# KiCad board middle.kicad_pcb
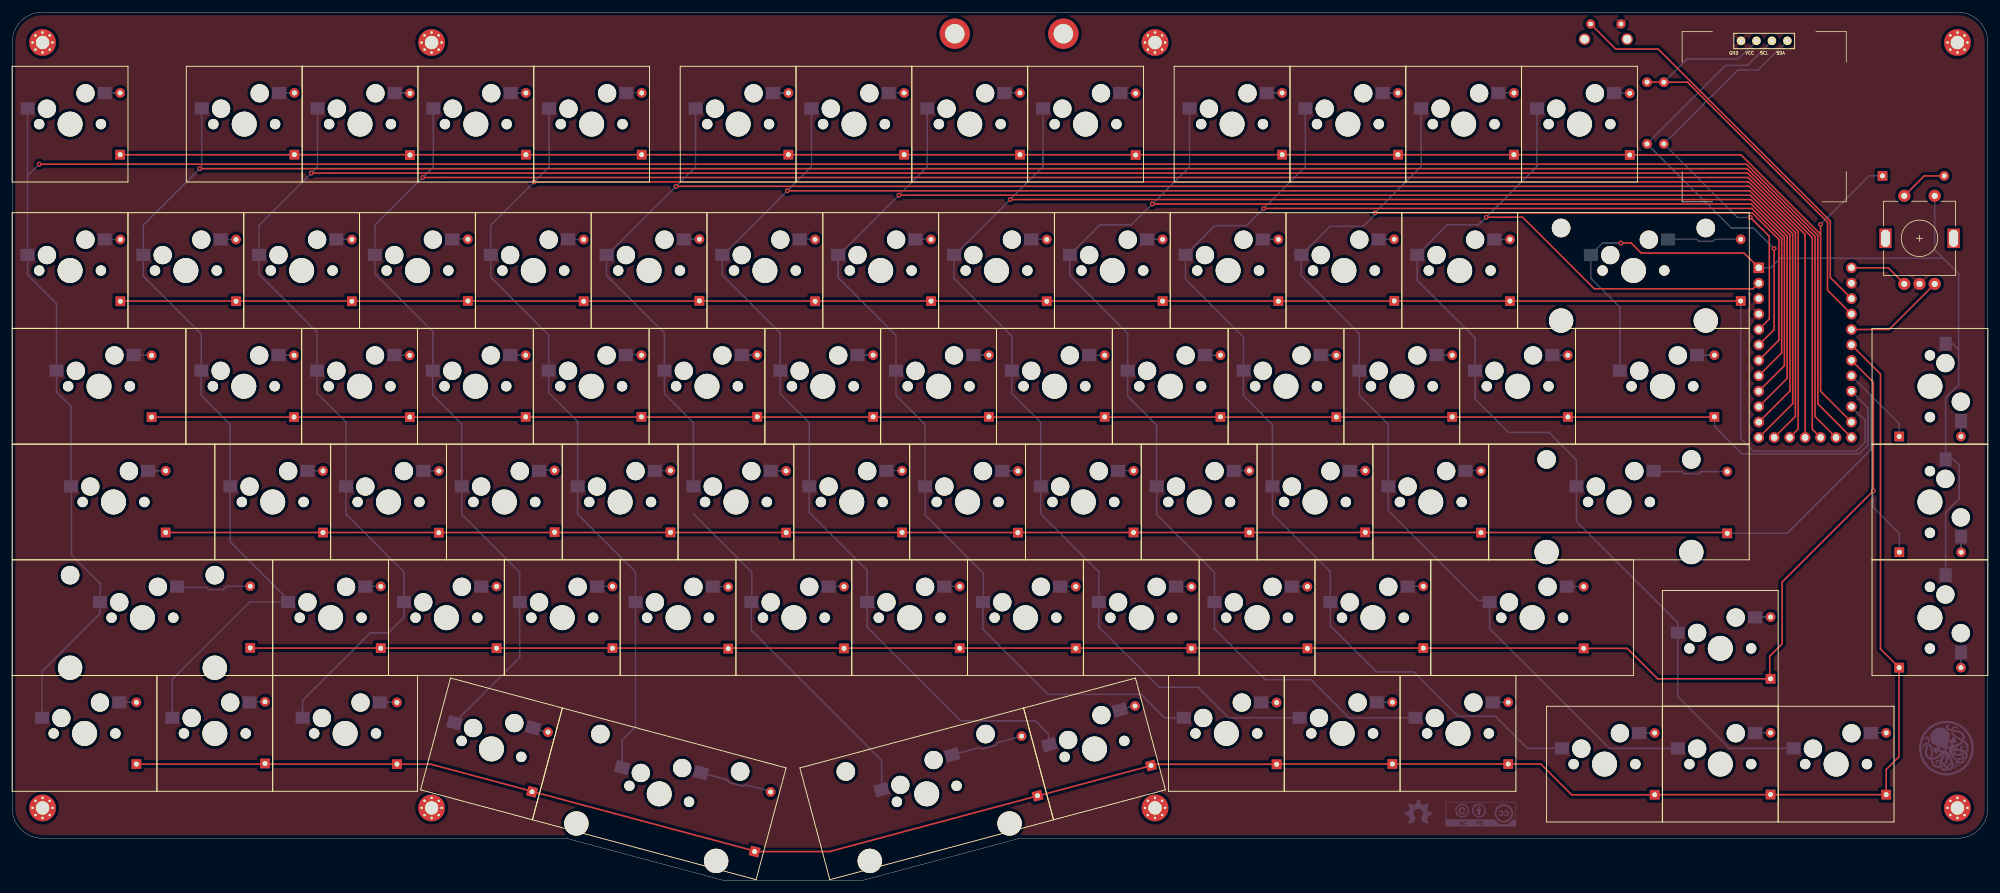
[diagram p0: board, top side]
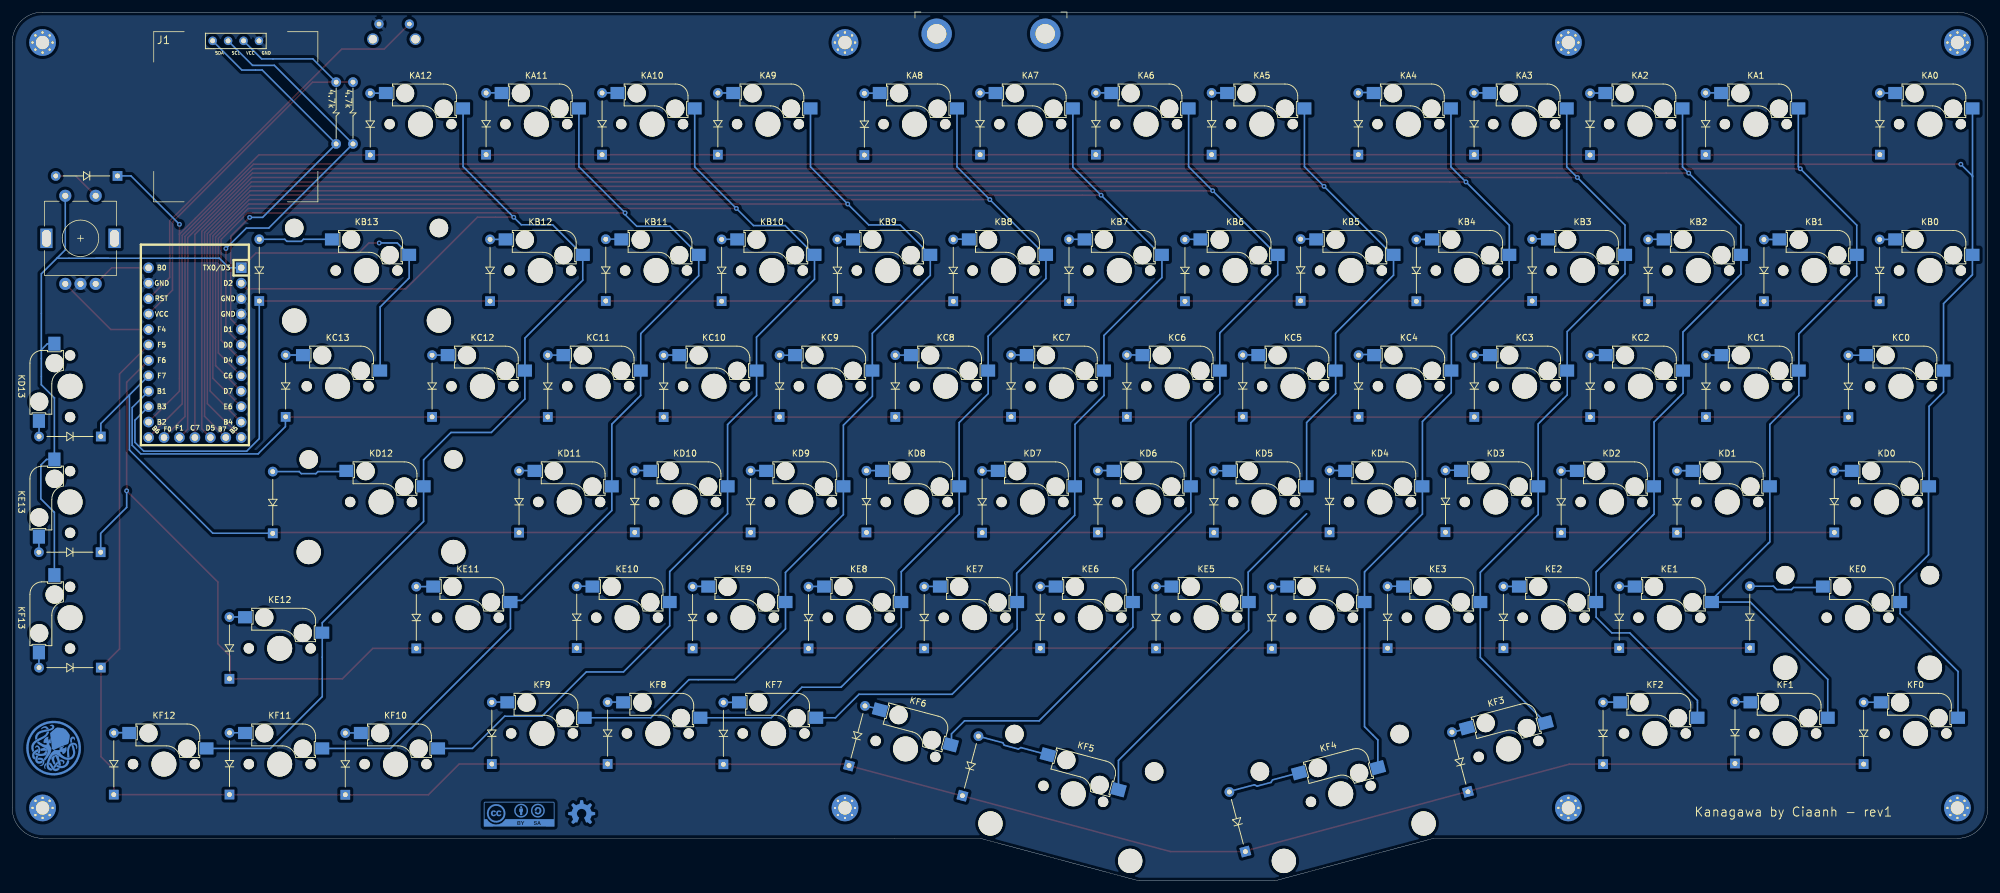
[diagram p1: board, bottom side, seen from below]

Outline 325 x 143 mm; copper layers: Top, Bottom. Coordinates in mm from the lower left corner of the outline.
Outline path: 0,138 0,12 arc(1.46,8.46) 5,7 91.16,7 117.29,0 139.6,0 165.72,7 320,7 arc(323.54,8.46) 325,12 325,138 arc(323.54,141.54) 320,143 5,143 arc(1.46,141.54) 0,138

## Placement (name value [footprint] x y rotation side)
DA0  D  [Diode_THT]  17.76 119.54 90 top
DA1  D  [Diode_THT]  46.43 119.54 90 top
DA2  D  [Diode_THT]  65.44 119.48 90 top
DA3  D  [Diode_THT]  84.51 119.54 90 top
DA4  D  [Diode_THT]  103.56 119.54 90 top
DA5  D  [Diode_THT]  127.69 119.54 90 top
DA6  D  [Diode_THT]  146.73 119.54 90 top
DA7  D  [Diode_THT]  165.78 119.54 90 top
DA8  D  [Diode_THT]  184.81 119.48 90 top
DA9  D  [Diode_THT]  208.91 119.54 90 top
DA10  D  [Diode_THT]  227.96 119.54 90 top
DA11  D  [Diode_THT]  247.04 119.54 90 top
DA12  D  [Diode_THT]  266.1 119.49 90 top
DA13  D  [Diode_THT]  307.67 116.04 0 top
DB0  D  [Diode_THT]  17.8 95.41 90 top
DB1  D  [Diode_THT]  36.83 95.41 90 top
DB2  D  [Diode_THT]  55.88 95.41 90 top
DB3  D  [Diode_THT]  74.96 95.46 90 top
DB4  D  [Diode_THT]  94.01 95.41 90 top
DB5  D  [Diode_THT]  113.05 95.48 90 top
DB6  D  [Diode_THT]  132.08 95.41 90 top
DB7  D  [Diode_THT]  151.15 95.43 90 top
DB8  D  [Diode_THT]  170.19 95.41 90 top
DB9  D  [Diode_THT]  189.25 95.43 90 top
DB10  D  [Diode_THT]  208.29 95.43 90 top
DB11  D  [Diode_THT]  227.35 95.46 90 top
DB12  D  [Diode_THT]  246.39 95.43 90 top
DB13  D  [Diode_THT]  284.35 95.45 90 top
DC0  D  [Diode_THT]  22.94 76.34 90 top
DC1  D  [Diode_THT]  46.37 76.35 90 top
DC2  D  [Diode_THT]  65.41 76.35 90 top
DC3  D  [Diode_THT]  84.48 76.37 90 top
DC4  D  [Diode_THT]  103.52 76.38 90 top
DC5  D  [Diode_THT]  122.57 76.39 90 top
DC6  D  [Diode_THT]  141.63 76.39 90 top
DC7  D  [Diode_THT]  160.68 76.39 90 top
DC8  D  [Diode_THT]  179.72 76.37 90 top
DC9  D  [Diode_THT]  198.76 76.37 90 top
DC10  D  [Diode_THT]  217.83 76.35 90 top
DC11  D  [Diode_THT]  236.89 76.37 90 top
DC12  D  [Diode_THT]  255.92 76.37 90 top
DC13  D  [Diode_THT]  280.01 76.38 90 top
DD0  D  [Diode_THT]  25.26 57.35 90 top
DD1  D  [Diode_THT]  51.13 57.33 90 top
DD2  D  [Diode_THT]  70.19 57.31 90 top
DD3  D  [Diode_THT]  89.22 57.4 90 top
DD4  D  [Diode_THT]  108.29 57.38 90 top
DD5  D  [Diode_THT]  127.32 57.32 90 top
DD6  D  [Diode_THT]  146.39 57.36 90 top
DD7  D  [Diode_THT]  165.44 57.31 90 top
DD8  D  [Diode_THT]  184.47 57.35 90 top
DD9  D  [Diode_THT]  203.52 57.36 90 top
DD10  D  [Diode_THT]  222.58 57.37 90 top
DD11  D  [Diode_THT]  241.62 57.32 90 top
DD12  D  [Diode_THT]  282.13 57.21 90 top
DD13  D  [Diode_THT]  310.42 73.15 0 top
DE0  D  [Diode_THT]  39.16 38.34 90 top
DE1  D  [Diode_THT]  60.64 38.31 90 top
DE2  D  [Diode_THT]  79.69 38.3 90 top
DE3  D  [Diode_THT]  98.75 38.31 90 top
DE4  D  [Diode_THT]  117.8 38.23 90 top
DE5  D  [Diode_THT]  136.84 38.27 90 top
DE6  D  [Diode_THT]  155.89 38.29 90 top
DE7  D  [Diode_THT]  174.97 38.27 90 top
DE8  D  [Diode_THT]  194 38.26 90 top
DE9  D  [Diode_THT]  213.07 38.27 90 top
DE10  D  [Diode_THT]  232.13 38.32 90 top
DE11  D  [Diode_THT]  258.52 38.27 90 top
DE12  D  [Diode_THT]  289.26 33.26 90 top
DE13  D  [Diode_THT]  310.44 54.1 0 top
DF0  D  [Diode_THT]  20.43 19.22 90 top
DF1  D  [Diode_THT]  41.6 19.32 90 top
DF2  D  [Diode_THT]  63.3 19.21 90 top
DF3  D  [Diode_THT]  85.52 14.66 75 top
DF4  D  [Diode_THT]  122.14 4.82 75 top
DF5  D  [Diode_THT]  168.68 14.01 105 top
DF6  D  [Diode_THT]  187.34 18.98 105 top
DF7  D  [Diode_THT]  208 19.19 90 top
DF8  D  [Diode_THT]  227.05 19.24 90 top
DF9  D  [Diode_THT]  246.1 19.23 90 top
DF10  D  [Diode_THT]  270.2 14.17 90 top
DF11  D  [Diode_THT]  289.25 14.21 90 top
DF12  D  [Diode_THT]  308.28 14.19 90 top
DF13  D  [Diode_THT]  310.42 35.1 0 top
J1  Conn_01x04  [OLED_128x64_I2C_cutout]  274.71 139.78 0 top
KA0  KEY_SW  [SW_Cherry_MX_1.00u_Hotswap]  0 134.09 0 top
KA1  KEY_SW  [SW_Cherry_MX_1.00u_Hotswap]  28.65 134.09 0 top
KA2  KEY_SW  [SW_Cherry_MX_1.00u_Hotswap]  47.7 134.09 0 top
KA3  KEY_SW  [SW_Cherry_MX_1.00u_Hotswap]  66.75 134.09 0 top
KA4  KEY_SW  [SW_Cherry_MX_1.00u_Hotswap]  85.8 134.09 0 top
KA5  KEY_SW  [SW_Cherry_MX_1.00u_Hotswap]  109.9 134.09 0 top
KA6  KEY_SW  [SW_Cherry_MX_1.00u_Hotswap]  128.95 134.09 0 top
KA7  KEY_SW  [SW_Cherry_MX_1.00u_Hotswap]  148 134.09 0 top
KA8  KEY_SW  [SW_Cherry_MX_1.00u_Hotswap]  167.05 134.09 0 top
KA9  KEY_SW  [SW_Cherry_MX_1.00u_Hotswap]  191.15 134.09 0 top
KA10  KEY_SW  [SW_Cherry_MX_1.00u_Hotswap]  210.2 134.09 0 top
KA11  KEY_SW  [SW_Cherry_MX_1.00u_Hotswap]  229.25 134.09 0 top
KA12  KEY_SW  [SW_Cherry_MX_1.00u_Hotswap]  248.3 134.09 0 top
KB0  KEY_SW  [SW_Cherry_MX_1.00u_Hotswap]  0 109.99 0 top
KB1  KEY_SW  [SW_Cherry_MX_1.00u_Hotswap]  19.05 109.99 0 top
KB2  KEY_SW  [SW_Cherry_MX_1.00u_Hotswap]  38.1 109.99 0 top
KB3  KEY_SW  [SW_Cherry_MX_1.00u_Hotswap]  57.15 109.99 0 top
KB4  KEY_SW  [SW_Cherry_MX_1.00u_Hotswap]  76.2 109.99 0 top
KB5  KEY_SW  [SW_Cherry_MX_1.00u_Hotswap]  95.25 109.99 0 top
KB6  KEY_SW  [SW_Cherry_MX_1.00u_Hotswap]  114.3 109.99 0 top
KB7  KEY_SW  [SW_Cherry_MX_1.00u_Hotswap]  133.35 109.99 0 top
KB8  KEY_SW  [SW_Cherry_MX_1.00u_Hotswap]  152.4 109.99 0 top
KB9  KEY_SW  [SW_Cherry_MX_1.00u_Hotswap]  171.45 109.99 0 top
KB10  KEY_SW  [SW_Cherry_MX_1.00u_Hotswap]  190.5 109.99 0 top
KB11  KEY_SW  [SW_Cherry_MX_1.00u_Hotswap]  209.55 109.99 0 top
KB12  KEY_SW  [SW_Cherry_MX_1.00u_Hotswap]  228.6 109.99 0 top
KB13  KEY_SW  [SW_Cherry_MX_2.00u_Hotswap]  247.65 109.99 0 top
KC0  KEY_SW  [SW_Cherry_MX_1.50u_Hotswap]  0 90.94 0 top
KC1  KEY_SW  [SW_Cherry_MX_1.00u_Hotswap]  28.58 90.94 0 top
KC2  KEY_SW  [SW_Cherry_MX_1.00u_Hotswap]  47.63 90.94 0 top
KC3  KEY_SW  [SW_Cherry_MX_1.00u_Hotswap]  66.68 90.94 0 top
KC4  KEY_SW  [SW_Cherry_MX_1.00u_Hotswap]  85.73 90.94 0 top
KC5  KEY_SW  [SW_Cherry_MX_1.00u_Hotswap]  104.78 90.94 0 top
KC6  KEY_SW  [SW_Cherry_MX_1.00u_Hotswap]  123.83 90.94 0 top
KC7  KEY_SW  [SW_Cherry_MX_1.00u_Hotswap]  142.88 90.94 0 top
KC8  KEY_SW  [SW_Cherry_MX_1.00u_Hotswap]  161.93 90.94 0 top
KC9  KEY_SW  [SW_Cherry_MX_1.00u_Hotswap]  180.98 90.94 0 top
KC10  KEY_SW  [SW_Cherry_MX_1.00u_Hotswap]  200.03 90.94 0 top
KC11  KEY_SW  [SW_Cherry_MX_1.00u_Hotswap]  219.07 90.94 0 top
KC12  KEY_SW  [SW_Cherry_MX_1.00u_Hotswap]  238.12 90.94 0 top
KC13  KEY_SW  [SW_Cherry_MX_1.50u_Hotswap]  257.18 90.94 0 top
KD0  KEY_SW  [SW_Cherry_MX_1.75u_Hotswap]  0 71.89 0 top
KD1  KEY_SW  [SW_Cherry_MX_1.00u_Hotswap]  33.34 71.89 0 top
KD2  KEY_SW  [SW_Cherry_MX_1.00u_Hotswap]  52.39 71.89 0 top
KD3  KEY_SW  [SW_Cherry_MX_1.00u_Hotswap]  71.44 71.89 0 top
KD4  KEY_SW  [SW_Cherry_MX_1.00u_Hotswap]  90.49 71.89 0 top
KD5  KEY_SW  [SW_Cherry_MX_1.00u_Hotswap]  109.54 71.89 0 top
KD6  KEY_SW  [SW_Cherry_MX_1.00u_Hotswap]  128.59 71.89 0 top
KD7  KEY_SW  [SW_Cherry_MX_1.00u_Hotswap]  147.64 71.89 0 top
KD8  KEY_SW  [SW_Cherry_MX_1.00u_Hotswap]  166.69 71.89 0 top
KD9  KEY_SW  [SW_Cherry_MX_1.00u_Hotswap]  185.74 71.89 0 top
KD10  KEY_SW  [SW_Cherry_MX_1.00u_Hotswap]  204.79 71.89 0 top
KD11  KEY_SW  [SW_Cherry_MX_1.00u_Hotswap]  223.84 71.89 0 top
KD12  KEY_SW  [SW_Cherry_MX_2.25u_Hotswap]  242.89 71.89 0 top
KD13  KEY_SW  [SW_Cherry_MX_1.00u_Hotswap]  325 90.94 270 top
KE0  KEY_SW  [SW_Cherry_MX_2.25u_Hotswap]  0 52.84 0 top
KE1  KEY_SW  [SW_Cherry_MX_1.00u_Hotswap]  42.86 52.84 0 top
KE2  KEY_SW  [SW_Cherry_MX_1.00u_Hotswap]  61.91 52.84 0 top
KE3  KEY_SW  [SW_Cherry_MX_1.00u_Hotswap]  80.96 52.84 0 top
KE4  KEY_SW  [SW_Cherry_MX_1.00u_Hotswap]  100.01 52.84 0 top
KE5  KEY_SW  [SW_Cherry_MX_1.00u_Hotswap]  119.06 52.84 0 top
KE6  KEY_SW  [SW_Cherry_MX_1.00u_Hotswap]  138.11 52.84 0 top
KE7  KEY_SW  [SW_Cherry_MX_1.00u_Hotswap]  157.16 52.84 0 top
KE8  KEY_SW  [SW_Cherry_MX_1.00u_Hotswap]  176.21 52.84 0 top
KE9  KEY_SW  [SW_Cherry_MX_1.00u_Hotswap]  195.26 52.84 0 top
KE10  KEY_SW  [SW_Cherry_MX_1.00u_Hotswap]  214.31 52.84 0 top
KE11  KEY_SW  [SW_Cherry_MX_1.75u_Hotswap]  233.36 52.84 0 top
KE12  KEY_SW  [SW_Cherry_MX_1.00u_Hotswap]  271.46 47.79 0 top
KE13  KEY_SW  [SW_Cherry_MX_1.00u_Hotswap]  325 71.89 270 top
KF0  KEY_SW  [SW_Cherry_MX_1.25u_Hotswap]  0 33.79 0 top
KF1  KEY_SW  [SW_Cherry_MX_1.00u_Hotswap]  23.81 33.79 0 top
KF2  KEY_SW  [SW_Cherry_MX_1.25u_Hotswap]  42.86 33.79 0 top
KF3  KEY_SW  [SW_Cherry_MX_1.00u_Hotswap]  72.11 33.38 345 top
KF4  KEY_SW  [SW_Cherry_MX_2.00u_Hotswap]  90.51 28.45 345 top
KF5  KEY_SW  [SW_Cherry_MX_2.00u_Hotswap]  129.58 18.59 15 top
KF6  KEY_SW  [SW_Cherry_MX_1.00u_Hotswap]  166.38 28.45 15 top
KF7  KEY_SW  [SW_Cherry_MX_1.00u_Hotswap]  190.21 33.79 0 top
KF8  KEY_SW  [SW_Cherry_MX_1.00u_Hotswap]  209.26 33.79 0 top
KF9  KEY_SW  [SW_Cherry_MX_1.00u_Hotswap]  228.31 33.79 0 top
KF10  KEY_SW  [SW_Cherry_MX_1.00u_Hotswap]  252.41 28.74 0 top
KF11  KEY_SW  [SW_Cherry_MX_1.00u_Hotswap]  271.46 28.74 0 top
KF12  KEY_SW  [SW_Cherry_MX_1.00u_Hotswap]  290.51 28.74 0 top
KF13  KEY_SW  [SW_Cherry_MX_1.00u_Hotswap]  325 52.84 270 top
LogoMiddle  LOGO  [Cthulhu_logo]  318 22 30 bottom
LogoMiddle1  cc_logo  [cc]  241.6 10.98 180 bottom
LogoMiddle2  oshw_logo  [oshw]  231.32 11.31 180 bottom
MountBaseMiddleTop1  MountingHole  [MountingHole_2.2mm_M2_Pad_Via]  5 138 0 top
MountBaseMiddleTop2  MountingHole  [MountingHole_2.2mm_M2_Pad_Via]  5 12 0 top
MountBaseMiddleTop3  MountingHole  [MountingHole_2.2mm_M2_Pad_Via]  69 138 0 top
MountBaseMiddleTop4  MountingHole  [MountingHole_2.2mm_M2_Pad_Via]  69 12 0 top
MountBaseMiddleTop5  MountingHole  [MountingHole_2.2mm_M2_Pad_Via]  188 138 0 top
MountBaseMiddleTop6  MountingHole  [MountingHole_2.2mm_M2_Pad_Via]  188 12 0 top
MountBaseMiddleTop7  MountingHole  [MountingHole_2.2mm_M2_Pad_Via]  320 138 0 top
MountBaseMiddleTop8  MountingHole  [MountingHole_2.2mm_M2_Pad_Via]  320 12 0 top
MountMiddle0  MountingHole USB breakout  [Keebio_USB-C_breakout_shadow]  163.97 137.05 0 top
R1  4.7k  [Resistors_THT]  271.7 121.31 90 top
R2  4.7k  [Resistors_THT]  268.94 121.31 90 top
RSW0  -  [SW_RST]  262.16 141.05 0 top
SW99  Rotary_Encoder_Switch  [RotaryEncoder_Alps_EC11E-Switch_Vertical_H20mm]  313.76 105.77 90 top
U0  Elite-C  [Elite-C-29pin-holes]  294.94 86.95 270 top

## Library data of the parts
KA0-KA12 KB0-KB13 KC0-KC13 KD0-KD11 KD13 KE1-KE13 KF0-KF13 = -: Field4: D?
KD12 KE0 = -: Field4: D?; Field5: D?

## Footprints (pads in the part's own frame, mm; a bottom-side part is the same pattern mirrored in y, then rotated)
Diode_THT
  rect 1.6x1.6 hole 0.8: 1(0,0)
  oval 1.6x1.6 hole 0.8: 2(10.16,0)
Elite-C-29pin-holes
  rect 1.753x1.753 hole 1.092: 1(-13.97,-7.62)
  round 1.753 hole 1.092: 2(-11.43,-7.62) 3(-8.89,-7.62) 4(-6.35,-7.62) 5(-3.81,-7.62) 6(-1.27,-7.62) 7(1.27,-7.62) 8(3.81,-7.62) 9(6.35,-7.62) 10(8.89,-7.62) 11(11.43,-7.62) 12(13.97,-7.62) 13(13.97,7.62) 14(11.43,7.62) 15(8.89,7.62) 16(6.35,7.62) 17(3.81,7.62) 18(1.27,7.62) 19(-1.27,7.62) 20(-3.81,7.62) 21(-6.35,7.62) 22(-8.89,7.62) 23(-11.43,7.62) 24(-13.97,7.62) 25(13.97,-5.08) 26(13.97,-2.54) 27(13.97,0) 28(13.97,2.54) 29(13.97,5.08)
Keebio_USB-C_breakout_shadow
  round 5 hole 3.2: (-8.908,2.398) (8.951,2.398)
MountingHole_2.2mm_M2_Pad_Via
  round 0.7 hole 0.4: 1(-1.65,0) 1(-1.167,1.167) 1(-1.167,-1.167) 1(0,1.65) 1(0,-1.65) 1(1.167,1.167) 1(1.167,-1.167) 1(1.65,0)
  round 4.4 hole 2.2: 1(0,0)
OLED_128x64_I2C_cutout
  round 1.397 hole 0.813: 1(9.69,-1.5) 2(12.23,-1.5) 3(14.77,-1.5) 4(17.31,-1.5)
Resistors_THT
  round 1.6 hole 0.8: 1(0,0)
  oval 1.6x1.6 hole 0.8: 2(10.16,0)
RotaryEncoder_Alps_EC11E-Switch_Vertical_H20mm
  round 2 hole 1: A(-7.5,2.5) B(-7.5,-2.5) C(-7.5,0) S1(7,-2.5) S2(7,2.5)
  rect 3.2x2 hole 2.8x1.5: MP(0,5.6) MP(0,-5.6)
SW_Cherry_MX_1.00u_Hotswap
  round 1.7 hole 1.7 unplated: (4.445,-9.525) (14.605,-9.525)
  round 3 hole 3 unplated: (5.715,-6.985) (12.065,-4.445)
  round 4.1 hole 4.1 unplated: (9.525,-9.525)
  rect 2.3x2 smd far side: 1(2.525,-6.945) 2(15.225,-4.405)
SW_Cherry_MX_1.25u_Hotswap
  round 1.7 hole 1.7 unplated: (6.826,-9.525) (16.986,-9.525)
  round 3 hole 3 unplated: (8.096,-6.985) (14.446,-4.445)
  round 4.1 hole 4.1 unplated: (11.906,-9.525)
  rect 2.3x2 smd far side: 1(4.906,-6.945) 2(17.606,-4.405)
SW_Cherry_MX_1.50u_Hotswap
  round 1.7 hole 1.7 unplated: (9.207,-9.525) (19.367,-9.525)
  round 3 hole 3 unplated: (10.477,-6.985) (16.828,-4.445)
  round 4.1 hole 4.1 unplated: (14.287,-9.525)
  rect 2.3x2 smd far side: 1(7.287,-6.945) 2(19.988,-4.405)
SW_Cherry_MX_1.75u_Hotswap
  round 1.7 hole 1.7 unplated: (11.589,-9.525) (21.749,-9.525)
  round 3 hole 3 unplated: (12.859,-6.985) (19.209,-4.445)
  round 4.1 hole 4.1 unplated: (16.669,-9.525)
  rect 2.3x2 smd far side: 1(9.669,-6.945) 2(22.369,-4.405)
SW_Cherry_MX_2.00u_Hotswap
  round 3.05 hole 3.05 unplated: (7.15,-2.525) (30.95,-2.525)
  round 4 hole 4 unplated: (7.15,-17.765) (30.95,-17.765)
  round 1.7 hole 1.7 unplated: (13.97,-9.525) (24.13,-9.525)
  round 3 hole 3 unplated: (15.24,-6.985) (21.59,-4.445)
  round 4.1 hole 4.1 unplated: (19.05,-9.525)
  rect 2.3x2 smd far side: 1(12.05,-6.945) 2(24.75,-4.405)
SW_Cherry_MX_2.25u_Hotswap
  round 3.05 hole 3.05 unplated: (9.531,-2.525) (33.331,-2.525)
  round 4 hole 4 unplated: (9.531,-17.765) (33.331,-17.765)
  round 1.7 hole 1.7 unplated: (16.351,-9.525) (26.511,-9.525)
  round 3 hole 3 unplated: (17.621,-6.985) (23.971,-4.445)
  round 4.1 hole 4.1 unplated: (21.431,-9.525)
  rect 2.3x2 smd far side: 1(14.431,-6.945) 2(27.131,-4.405)
SW_RST
  round 1.524 hole 0.762: 1(-2.5,0) 2(2.5,0)
  round 1.9 hole 1.4: 3(-3.5,-2.5) 3(3.5,-2.5)

## Nets
GND: J1.1 RSW0.2 SW99.C U0.3 U0.4 U0.23
VCC: J1.2 R1.2 R2.2 U0.21
/SW99B: DA13.2 SW99.S2
col00: KA0.1 KB0.1 KC0.1 KD0.1 KE0.1 KF0.1 U0.13
col01: KA1.1 KB1.1 KC1.1 KD1.1 KE1.1 KF1.1 U0.29
col02: KA2.1 KB2.1 KC2.1 KD2.1 KE2.1 KF2.1 U0.28
col03: KA3.1 KB3.1 KC3.1 KD3.1 KE3.1 KF3.1 U0.27
col04: KA4.1 KB4.1 KC4.1 KD4.1 KE4.1 KF4.1 U0.26
col05: KA5.1 KB5.1 KC5.1 KD5.1 KE5.1 KF5.1 U0.25
col06: KA6.1 KB6.1 KC6.1 KD6.1 KE6.1 KF6.1 U0.12
col07: KA7.1 KB7.1 KC7.1 KD7.1 KE7.1 KF7.1 U0.11
col08: KA8.1 KB8.1 KC8.1 KD8.1 KE8.1 KF8.1 U0.10
col09: KA9.1 KB9.1 KC9.1 KD9.1 KE9.1 KF9.1 U0.9
col10: KA10.1 KB10.1 KC10.1 KD10.1 KE10.1 KF10.1 U0.8
col11: KA11.1 KB11.1 KC11.1 KD11.1 KE11.1 KF11.1 U0.7
col12: KA12.1 KB12.1 KC12.1 KD12.1 KE12.1 KF12.1 U0.2
col13: KB13.1 KC13.1 KD13.1 KE13.1 KF13.1 SW99.S1 U0.1
ENCA: SW99.A U0.24
ENCB: SW99.B U0.20
RESET: RSW0.1 U0.22
row00: DA0.1 DA1.1 DA2.1 DA3.1 DA4.1 DA5.1 DA6.1 DA7.1 DA8.1 DA9.1 DA10.1 DA11.1 DA12.1 DA13.1 U0.14
row01: DB0.1 DB1.1 DB2.1 DB3.1 DB4.1 DB5.1 DB6.1 DB7.1 DB8.1 DB9.1 DB10.1 DB11.1 DB12.1 DB13.1 U0.15
row02: DC0.1 DC1.1 DC2.1 DC3.1 DC4.1 DC5.1 DC6.1 DC7.1 DC8.1 DC9.1 DC10.1 DC11.1 DC12.1 DC13.1 U0.16
row03: DD0.1 DD1.1 DD2.1 DD3.1 DD4.1 DD5.1 DD6.1 DD7.1 DD8.1 DD9.1 DD10.1 DD11.1 DD12.1 DD13.1 U0.17
row04: DE0.1 DE1.1 DE2.1 DE3.1 DE4.1 DE5.1 DE6.1 DE7.1 DE8.1 DE9.1 DE10.1 DE11.1 DE12.1 DE13.1 U0.18
row05: DF0.1 DF1.1 DF2.1 DF3.1 DF4.1 DF5.1 DF6.1 DF7.1 DF8.1 DF9.1 DF10.1 DF11.1 DF12.1 DF13.1 U0.19
SCL: J1.3 R2.1 U0.6
SDA: J1.4 R1.1 U0.5
Net-(DA0-Pad2): DA0.2 KA0.2
Net-(DA1-Pad2): DA1.2 KA1.2
Net-(DA2-Pad2): DA2.2 KA2.2
Net-(DA3-Pad2): DA3.2 KA3.2
Net-(DA4-Pad2): DA4.2 KA4.2
Net-(DA5-Pad2): DA5.2 KA5.2
Net-(DA6-Pad2): DA6.2 KA6.2
Net-(DA7-Pad2): DA7.2 KA7.2
Net-(DA8-Pad2): DA8.2 KA8.2
Net-(DA9-Pad2): DA9.2 KA9.2
Net-(DA10-Pad2): DA10.2 KA10.2
Net-(DA11-Pad2): DA11.2 KA11.2
Net-(DA12-Pad2): DA12.2 KA12.2
Net-(DB0-Pad2): DB0.2 KB0.2
Net-(DB1-Pad2): DB1.2 KB1.2
Net-(DB2-Pad2): DB2.2 KB2.2
Net-(DB3-Pad2): DB3.2 KB3.2
Net-(DB4-Pad2): DB4.2 KB4.2
Net-(DB5-Pad2): DB5.2 KB5.2
Net-(DB6-Pad2): DB6.2 KB6.2
Net-(DB7-Pad2): DB7.2 KB7.2
Net-(DB8-Pad2): DB8.2 KB8.2
Net-(DB9-Pad2): DB9.2 KB9.2
Net-(DB10-Pad2): DB10.2 KB10.2
Net-(DB11-Pad2): DB11.2 KB11.2
Net-(DB12-Pad2): DB12.2 KB12.2
Net-(DB13-Pad2): DB13.2 KB13.2
Net-(DC0-Pad2): DC0.2 KC0.2
Net-(DC1-Pad2): DC1.2 KC1.2
Net-(DC2-Pad2): DC2.2 KC2.2
Net-(DC3-Pad2): DC3.2 KC3.2
Net-(DC4-Pad2): DC4.2 KC4.2
Net-(DC5-Pad2): DC5.2 KC5.2
Net-(DC6-Pad2): DC6.2 KC6.2
Net-(DC7-Pad2): DC7.2 KC7.2
Net-(DC8-Pad2): DC8.2 KC8.2
Net-(DC9-Pad2): DC9.2 KC9.2
Net-(DC10-Pad2): DC10.2 KC10.2
Net-(DC11-Pad2): DC11.2 KC11.2
Net-(DC12-Pad2): DC12.2 KC12.2
Net-(DC13-Pad2): DC13.2 KC13.2
Net-(DD0-Pad2): DD0.2 KD0.2
Net-(DD1-Pad2): DD1.2 KD1.2
Net-(DD2-Pad2): DD2.2 KD2.2
Net-(DD3-Pad2): DD3.2 KD3.2
Net-(DD4-Pad2): DD4.2 KD4.2
Net-(DD5-Pad2): DD5.2 KD5.2
Net-(DD6-Pad2): DD6.2 KD6.2
Net-(DD7-Pad2): DD7.2 KD7.2
Net-(DD8-Pad2): DD8.2 KD8.2
Net-(DD9-Pad2): DD9.2 KD9.2
Net-(DD10-Pad2): DD10.2 KD10.2
Net-(DD11-Pad2): DD11.2 KD11.2
Net-(DD12-Pad2): DD12.2 KD12.2
Net-(DD13-Pad2): DD13.2 KD13.2
Net-(DE0-Pad2): DE0.2 KE0.2
Net-(DE1-Pad2): DE1.2 KE1.2
Net-(DE2-Pad2): DE2.2 KE2.2
Net-(DE3-Pad2): DE3.2 KE3.2
Net-(DE4-Pad2): DE4.2 KE4.2
Net-(DE5-Pad2): DE5.2 KE5.2
Net-(DE6-Pad2): DE6.2 KE6.2
Net-(DE7-Pad2): DE7.2 KE7.2
Net-(DE8-Pad2): DE8.2 KE8.2
Net-(DE9-Pad2): DE9.2 KE9.2
Net-(DE10-Pad2): DE10.2 KE10.2
Net-(DE11-Pad2): DE11.2 KE11.2
Net-(DE12-Pad2): DE12.2 KE12.2
Net-(DE13-Pad2): DE13.2 KE13.2
Net-(DF0-Pad2): DF0.2 KF0.2
Net-(DF1-Pad2): DF1.2 KF1.2
Net-(DF2-Pad2): DF2.2 KF2.2
Net-(DF3-Pad2): DF3.2 KF3.2
Net-(DF4-Pad2): DF4.2 KF4.2
Net-(DF5-Pad2): DF5.2 KF5.2
Net-(DF6-Pad2): DF6.2 KF6.2
Net-(DF7-Pad2): DF7.2 KF7.2
Net-(DF8-Pad2): DF8.2 KF8.2
Net-(DF9-Pad2): DF9.2 KF9.2
Net-(DF10-Pad2): DF10.2 KF10.2
Net-(DF11-Pad2): DF11.2 KF11.2
Net-(DF12-Pad2): DF12.2 KF12.2
Net-(DF13-Pad2): DF13.2 KF13.2

Pads without a net: MountBaseMiddleTop1 1; MountBaseMiddleTop2 1; MountBaseMiddleTop3 1; MountBaseMiddleTop4 1; MountBaseMiddleTop5 1; MountBaseMiddleTop6 1; MountBaseMiddleTop7 1; MountBaseMiddleTop8 1; RSW0 3; SW99 MP

## Via types
v1: diameter 0.8, hole 0.4, Top to Bottom, 18 vias

## Routing (per net, layer and track width the routed paths; a pad name or vN(x,y) marks a point on that pad's centre or on a via; arc(x,y) is an arc through that point)
VCC: length 74
  Top w0.254: U0.21 298.63,97.23 298.63,108.43 275.59,131.47 271.7,131.47 ; R2.2 271.68,131.47
  Bottom w0.254: 271.7,131.47 275.54,135.3 283.96,135.3 J1.2
/SW99B: length 7.9
  Top w0.254: SW99.S2 314.53,116.04 DA13.2
col00: length 445
  Top w0.254: U0.13 297.03,78.51 297.03,106.25 285.32,117.96 v1(4.44,117.96)
  Bottom w0.254: KF0.1 4.91,34.46 14.43,43.99 KE0.1 ; KC0.1 7.29,95.02 2.54,99.77 2.54,103.05 ; KA0.1 2.53,115.89 ; 2.53,115.89 2.53,103.11 ; 2.53,115.89 2.53,116.05 v1(4.44,117.96) ; 9.76,65.26 9.76,53.67 14.51,48.92 14.51,46.16 ; KD0.1 9.67,78.11 7.29,80.49 7.29,84
col01: length 430.6
  Top w0.254: 30.84,117.23 285.4,117.23 296.57,106.06 296.57,76.44 300.03,72.98
  Bottom w0.254: 31.18,127.15 31.18,117.55 v1(30.85,117.22) 21.56,107.93 21.56,99.57 31.1,90.03 KC1.1 ; 36.12,55.56 35.86,55.81 KD1.1 35.86,75.13 31.09,79.91 31.09,84 ; 36.12,55.56 45.51,46.16 ; 36.12,55.56 35.96,55.71 ; 45.36,45.9 39.07,45.9 26.34,33.17 KF1.1
col02: length 407.8
  Top w0.254: v1(49.21,116.51) 285.49,116.51 296.12,105.87 296.12,74.34 U0.28
  Bottom w0.254: 55.17,60.12 54.91,60.37 KD2.1 54.91,75.51 50.14,80.29 50.14,84.02 ; 55.17,60.12 64.44,50.84 KE2.1 64.44,43.4 61.85,40.82 58.9,40.82 47.77,29.68 47.77,26.84 ; 55.17,60.12 55.01,60.27 ; KC2.1 50.15,90.34 40.61,99.87 40.61,107.91 v1(49.21,116.51) 50.22,117.52 KA2.1
col03: length 384.1
  Top w0.254: v1(67.52,115.78) 285.57,115.78 294.94,106.41 U0.27
  Bottom w0.254: 72.75,26.03 83.49,36.77 KE3.1 83.49,50.78 73.96,60.31 KD3.1 73.96,75.21 69.19,79.98 69.19,84.02 ; KC3.1 69.2,90.41 59.69,99.92 59.69,107.95 v1(67.52,115.78) 69.28,117.53 KA3.1
col04: length 369.1
  Top w0.254: v1(85.85,115.05) 285.66,115.05 293.8,106.91 293.8,74.39 292.4,72.99
  Bottom w0.254: KA4.1 88.33,117.53 v1(85.85,115.05) 78.71,107.91 78.71,103.05 ; 78.74,103.05 78.74,99.36 88.25,89.85 KC4.1 ; KF4.1 100.35,23.19 102.54,25.38 KE4.1 102.54,50.85 93.01,60.38 KD4.1 93.01,75.62 88.27,80.36 88.27,84.02
col05: length 354.6
  Top w0.254: v1(109.2,114.33) 285.74,114.33 293.35,106.72 293.35,76.47 U0.25
  Bottom w0.254: KC5.1 107.3,90.16 97.76,99.69 97.76,103.07 ; KF5.1 143.01,19.82 121.6,41.24 121.6,45.9 ; KD5.1 112.06,75.44 107.29,80.21 107.29,84.02 ; 121.67,46.25 121.67,50.81 112.06,60.42 ; 97.89,103.02 97.89,103.02 v1(109.2,114.33) 112.43,117.55 KA5.1
col06: length 344
  Top w0.254: v1(127.51,113.6) 285.83,113.6 292.89,106.53 292.89,78.56 U0.12
  Bottom w0.254: KC6.1 126.35,90.18 116.81,99.72 116.81,102.92 ; KA6.1 131.48,117.56 v1(127.51,113.6) 116.83,102.92 ; 170.48,22.86 170.48,24.19 168.33,26.34 156.06,26.34 140.64,41.76 KE6.1 140.64,51.12 131.11,60.65 KD6.1 131.11,75.39 126.34,80.16 126.34,84.02
col07: length 323.1
  Top w0.254: v1(145.87,112.87) 285.91,112.87 292.44,106.34 292.44,80.64 U0.11
  Bottom w0.254: 159.76,46.06 159.76,50.62 150.21,60.17 150.21,65.16 ; 145.39,84 145.39,79.91 150.16,75.13 KD7.1 ; KC7.1 145.4,89.78 135.86,99.31 135.86,102.89 ; KF7.1 189.56,26.85 185.7,30.71 170.38,30.71 159.69,41.4 KE7.1 ; KA7.1 150.53,117.53 v1(145.87,112.87) 135.88,102.88
col08: length 300.9
  Top w0.254: U0.10 291.99,82.73 291.99,106.16 286,112.15 v1(164.18,112.15)
  Bottom w0.254: 154.94,102.89 154.94,99.16 164.45,89.65 KC8.1 ; 154.93,102.89 v1(164.18,112.15) 169.57,117.54 KA8.1 ; 164.44,84.02 164.44,80.21 169.21,75.44 KD8.1 169.21,60.41 178.74,50.88 KE8.1 178.74,41.78 188.65,31.88 195.1,31.88 200.12,26.85 KF8.1
col09: length 279.2
  Top w0.254: U0.9 291.53,84.81 291.53,105.97 286.08,111.42 v1(187.55,111.42)
  Bottom w0.254: KA9.1 193.68,117.54 v1(187.55,111.42) 187.54,111.42 184.1,107.97 178.92,107.97 173.98,103.03 ; 183.49,84 183.49,79.78 188.26,75.01 KD9.1 188.26,60.29 197.79,50.77 KE9.1 197.79,41.48 206.15,33.12 213.66,33.12 219.94,26.85 KF9.1 ; KC9.1 183.5,90.13 173.96,99.67 173.96,103.05
col10: length 264.2
  Top w0.254: 287.31,83.13 291.08,86.9 291.08,105.78 286.17,110.69 v1(205.87,110.69)
  Bottom w0.254: KF10.1 249.29,21.8 243.99,27.1 237.85,27.1 230.56,34.39 224.43,34.39 216.84,41.99 KE10.1 216.84,50.9 207.31,60.43 KD10.1 207.31,75.11 202.54,79.88 202.54,84 ; KC10.1 202.55,89.5 193.01,99.03 193.01,103.05 197.84,107.87 203.05,107.87 v1(205.87,110.69) 212.73,117.54 KA10.1
col11: length 239.5
  Top w0.254: 287.3,85.66 290.62,88.99 290.62,105.59 286.25,109.97 v1(224.18,109.97)
  Bottom w0.254: 221.62,84 221.62,79.91 226.36,75.16 KD11.1 226.36,60.96 241.16,46.16 243.26,46.16 243.26,46.16 ; KE11.1 243.03,41.52 262.76,21.8 KF11.1 ; KC11.1 221.6,90.08 212.06,99.62 212.06,103.02 ; 212.07,103.03 216.79,107.74 222.25,107.74 224.18,109.67 v1(224.18,109.97) 231.78,117.56 KA11.1
col12: length 202.3
  Top w0.254: 287.31,98.39 286.38,97.46 260.25,97.46 248.47,109.24 v1(242.49,109.24)
  Bottom w0.254: KC12.1 240.65,89.34 231.14,98.85 231.14,103.05 236.09,108 241.25,108 v1(242.49,109.24) 250.82,117.57 KA12.1 ; KF12.1 282.52,21.8 273.99,30.33 KE12.1 273.99,42.49 257.32,59.16 KD12.1 257.32,69.3 252.81,73.81 246.18,73.81 240.67,79.32 240.67,84
col13: length 154.3
  Top w0.254: 287.32,100.91 284.89,103.35 267.97,103.35 266.32,105 v1(264.62,105)
  Bottom w0.254: 317.64,102.49 320.2,99.93 320.2,87.42 ; 317.64,102.49 309.21,102.49 ; 317.64,102.49 316.26,103.87 SW99.S1 ; 320.2,87.42 319.2,88.42 KD13.1 ; 320.2,87.42 320.2,81.66 318.05,79.5 318.06,79.5 KE13.1 319.35,69.37 320.29,68.43 320.29,62.9 318.06,60.66 KF13.1 ; 311.21,102.49 290.91,102.49 289.34,100.92 U0.1 ; KB13.1 259.7,103.06 261.65,105 v1(264.62,105) ; 259.69,103.07 259.69,99.24 264.46,94.46 KC13.1
ENCA: length 9.8
  Top w0.254: 311.28,98.26 308.62,100.92 302.57,100.92
ENCB: length 16.8
  Top w0.254: U0.20 308.77,90.76 316.28,98.27
RESET: length 67.1
  Top w0.254: U0.22 299.08,99.32 299.08,108.62 270.78,136.92 263.8,136.92 259.67,141.05
row00: length 332.6
  Top w0.254: 18.36,119.53 266,119.53 ; 297.48,106.44 v1(297.48,108.07) ; 297.48,106.44 297.48,80.6 U0.14 ; 297.48,106.44 294.89,109.03 284.42,119.5 266.09,119.5
  Bottom w0.254: DA13.1 305.45,116.04 v1(297.48,108.07)
row01: length 318
  Top w0.254: 17.78,95.44 284.4,95.44
  Bottom w0.254: DB13.1 284.35,72.8 286.41,70.74 303.35,70.74 304.8,72.19 304.8,75.82 U0.15
row02: length 296.6
  Top w0.254: DC0.1 280.02,76.34
  Bottom w0.254: 280.05,76.6 280.05,74.78 284.55,70.28 303.84,70.28 305.26,71.7 305.26,77.9 U0.16
row03: length 308.4
  Top w0.254: DD0.1 282.09,57.35
  Bottom w0.254: 310.41,73.15 310.41,75.29 305.71,79.99 ; 305.71,79.99 305.71,70.94 292,57.22 282.14,57.22 ; 305.71,79.99 U0.17
row04: length 324.5
  Top w0.254: 289.26,33.26 270.68,33.26 265.67,38.27 DE11.1 ; 289.12,33.78 289.12,36.98 291.16,39.02 291.16,49.2 v1(306.17,64.2) 306.17,82.08 U0.18 ; 39.17,38.31 DE1.1 258.5,38.31
  Bottom w0.254: DE13.1 310.44,57.19 306.17,61.47 v1(306.17,64.2)
row05: length 371.7
  Top w0.254: 168.79,14 187.3,18.96 ; DF7.1 187.44,19.19 ; DF2.1 68.84,19.21 68.85,19.2 85.51,14.74 ; 310.41,35.1 307.34,38.17 307.34,83.44 U0.19 ; 270.17,14.19 DF12.1 308.28,18.34 310.39,20.45 310.39,35.13 ; DF4.1 134.47,4.82 ; DF9.1 208.01,19.23 ; 134.49,4.83 168.7,14 ; 246.1,19.23 251.47,19.23 256.53,14.17 DF10.1 ; 85.44,14.74 122.18,4.9 ; DF0.1 63.29,19.22
SCL: length 72.5
  Top w0.254: v1(289.84,104.09) 289.84,90.74 U0.6
  Bottom w0.254: v1(289.84,104.09) 286.46,107.47 282.78,107.47 R2.1 281.86,134.24 285.45,134.24 289.48,138.28
SDA: length 67
  Top w0.254: U0.5 289.05,92.49 289.05,106.09 v1(285.93,109.22)
  Bottom w0.254: 292.02,138.28 287.22,133.47 283.87,133.47 R1.1 283.8,109.22 v1(285.93,109.22)
Net-(DA0-Pad2): length 2.6
  Bottom w0.254: KA0.2 17.8,129.69
Net-(DA1-Pad2): length 3
  Bottom w0.254: 43.96,129.71 46.95,129.71
Net-(DA2-Pad2): length 3
  Bottom w0.254: 63.01,129.68 66,129.68
Net-(DA3-Pad2): length 3
  Bottom w0.254: 82.01,129.71 85,129.71
Net-(DA4-Pad2): length 3
  Bottom w0.254: 101.04,129.77 104.03,129.77
Net-(DA5-Pad2): length 3
  Bottom w0.254: 124.85,129.7 127.84,129.7
Net-(DA6-Pad2): length 3
  Bottom w0.254: 143.86,129.72 146.85,129.72
Net-(DA7-Pad2): length 3
  Bottom w0.254: 162.91,129.72 165.9,129.72
Net-(DA8-Pad2): length 3
  Bottom w0.254: 182.06,129.66 185.05,129.66
Net-(DA9-Pad2): length 3
  Bottom w0.254: 205.84,129.7 208.83,129.7
Net-(DA10-Pad2): length 3
  Bottom w0.254: 224.74,129.72 227.73,129.72
Net-(DA11-Pad2): length 3
  Bottom w0.254: 243.92,129.72 246.91,129.72
Net-(DA12-Pad2): length 3
  Bottom w0.254: 263,129.66 265.99,129.66
Net-(DB0-Pad2): length 2.6
  Bottom w0.254: KB0.2 17.78,105.59
Net-(DB1-Pad2): length 3
  Bottom w0.254: 34.1,105.58 37.09,105.58
Net-(DB2-Pad2): length 3
  Bottom w0.254: 53.24,105.61 56.23,105.61
Net-(DB3-Pad2): length 3
  Bottom w0.254: 72.27,105.68 75.26,105.68
Net-(DB4-Pad2): length 3
  Bottom w0.254: 91.31,105.59 94.3,105.59
Net-(DB5-Pad2): length 3
  Bottom w0.254: 110.37,105.66 113.36,105.66
Net-(DB6-Pad2): length 3
  Bottom w0.254: 129.41,105.61 132.4,105.61
Net-(DB7-Pad2): length 3
  Bottom w0.254: 148.52,105.61 151.51,105.61
Net-(DB8-Pad2): length 3
  Bottom w0.254: 167.49,105.63 170.48,105.63
Net-(DB9-Pad2): length 3
  Bottom w0.254: 186.6,105.61 189.59,105.61
Net-(DB10-Pad2): length 3
  Bottom w0.254: 205.66,105.61 208.65,105.61
Net-(DB11-Pad2): length 3
  Bottom w0.254: 224.66,105.64 227.65,105.64
Net-(DB12-Pad2): length 3
  Bottom w0.254: 243.79,105.59 246.78,105.59
Net-(DB13-Pad2): length 12.1
  Bottom w0.254: 284.22,105.61 280.16,105.61 279.82,105.27 277.42,105.27 277.08,105.61 272.41,105.61
Net-(DC0-Pad2): length 3
  Bottom w0.254: 19.93,86.52 22.92,86.52
Net-(DC1-Pad2): length 3
  Bottom w0.254: 43.68,86.54 46.67,86.54
Net-(DC2-Pad2): length 3
  Bottom w0.254: 62.7,86.53 65.69,86.53
Net-(DC3-Pad2): length 3
  Bottom w0.254: 81.86,86.56 84.85,86.56
Net-(DC4-Pad2): length 3
  Bottom w0.254: 101.01,86.64 104,86.64
Net-(DC5-Pad2): length 3
  Bottom w0.254: 120.05,86.57 123.04,86.57
Net-(DC6-Pad2): length 3
  Bottom w0.254: 139.08,86.57 142.07,86.57
Net-(DC7-Pad2): length 3
  Bottom w0.254: 158,86.57 160.99,86.57
Net-(DC8-Pad2): length 3
  Bottom w0.254: 177.05,86.54 180.04,86.54
Net-(DC9-Pad2): length 3
  Bottom w0.254: 196.14,86.52 199.13,86.52
Net-(DC10-Pad2): length 3
  Bottom w0.254: 215.18,86.55 218.17,86.55
Net-(DC11-Pad2): length 3
  Bottom w0.254: 234.25,86.54 237.24,86.54
Net-(DC12-Pad2): length 3
  Bottom w0.254: 253.29,86.54 256.28,86.54
Net-(DC13-Pad2): length 3
  Bottom w0.254: 277.02,86.56 280.01,86.56
Net-(DD0-Pad2): length 3
  Bottom w0.254: 22.26,67.52 25.25,67.52
Net-(DD1-Pad2): length 3
  Bottom w0.254: 48.34,67.52 51.33,67.52
Net-(DD2-Pad2): length 3
  Bottom w0.254: 67.44,67.48 70.43,67.48
Net-(DD3-Pad2): length 3
  Bottom w0.254: 86.5,67.59 89.49,67.59
Net-(DD4-Pad2): length 3
  Bottom w0.254: 105.52,67.55 108.51,67.55
Net-(DD5-Pad2): length 3
  Bottom w0.254: 124.55,67.5 127.54,67.5
Net-(DD6-Pad2): length 3
  Bottom w0.254: 143.6,67.55 146.59,67.55
Net-(DD7-Pad2): length 3
  Bottom w0.254: 162.62,67.51 165.61,67.51
Net-(DD8-Pad2): length 3
  Bottom w0.254: 181.65,67.54 184.64,67.54
Net-(DD9-Pad2): length 3
  Bottom w0.254: 200.73,67.54 203.72,67.54
Net-(DD10-Pad2): length 3
  Bottom w0.254: 219.77,67.55 222.76,67.55
Net-(DD11-Pad2): length 3
  Bottom w0.254: 238.92,67.54 241.91,67.54
Net-(DD12-Pad2): length 12.4
  Bottom w0.254: 270.03,67.37 274.69,67.37 ; 274.7,67.37 275.04,67.03 277.44,67.03 277.78,67.37 277.78,67.37 DD12.2
Net-(DD13-Pad2): length 2.6
  Bottom w0.254: DD13.2 320.58,75.75
Net-(DE0-Pad2): length 12.2
  Bottom w0.254: 31.97,48.29 32.31,47.95 34.71,47.95 35.26,48.5 DE0.2 ; 27.3,48.29 31.96,48.29
Net-(DE1-Pad2): length 3
  Bottom w0.254: 57.85,48.49 60.84,48.49
Net-(DE2-Pad2): length 3
  Bottom w0.254: 76.89,48.46 79.88,48.46
Net-(DE3-Pad2): length 3
  Bottom w0.254: 95.97,48.5 98.96,48.5
Net-(DE4-Pad2): length 3
  Bottom w0.254: 115.02,48.44 118.01,48.44
Net-(DE5-Pad2): length 3
  Bottom w0.254: 134.07,48.49 137.06,48.49
Net-(DE6-Pad2): length 3
  Bottom w0.254: 153.11,48.48 156.1,48.48
Net-(DE7-Pad2): length 3
  Bottom w0.254: 172.17,48.46 175.16,48.46
Net-(DE8-Pad2): length 3
  Bottom w0.254: 191.22,48.46 194.21,48.46
Net-(DE9-Pad2): length 3
  Bottom w0.254: 210.36,48.47 213.35,48.47
Net-(DE10-Pad2): length 3
  Bottom w0.254: 229.25,48.5 232.24,48.5
Net-(DE11-Pad2): length 2.8
  Bottom w0.254: KE11.2 258.51,48.44
Net-(DE12-Pad2): length 3
  Bottom w0.254: 286.5,43.44 289.49,43.44
Net-(DE13-Pad2): length 2.6
  Bottom w0.254: KE13.2 320.6,54.1 320.6,54.1
Net-(DF0-Pad2): length 3
  Bottom w0.254: 17.46,29.4 20.45,29.4
Net-(DF1-Pad2): length 3
  Bottom w0.254: 38.86,29.48 41.85,29.48
Net-(DF2-Pad2): length 3
  Bottom w0.254: 60.32,29.41 63.31,29.41
Net-(DF3-Pad2): length 3
  Bottom w0.254: 85.47,25.14 88.36,24.37
Net-(DF4-Pad2): length 12.1
  Bottom w0.254: 120.64,15.82 124.56,14.77 ; 113.15,17.83 117.65,16.62 ; 117.66,16.62 117.9,16.2 120.22,15.58 120.64,15.82
Net-(DF5-Pad2): length 12.1
  Bottom w0.254: 154.55,20.73 159.05,21.94 ; 165.96,23.79 162.04,22.74 161.8,22.32 159.48,21.7 159.06,21.94
Net-(DF6-Pad2): length 3
  Bottom w0.254: 182.15,28.18 185.04,28.95
Net-(DF7-Pad2): length 3
  Bottom w0.254: 205.15,29.38 208.14,29.38
Net-(DF8-Pad2): length 3
  Bottom w0.254: 224.29,29.42 227.28,29.42
Net-(DF9-Pad2): length 3
  Bottom w0.254: 243.33,29.42 246.32,29.42
Net-(DF10-Pad2): length 3
  Bottom w0.254: 267.43,24.35 270.42,24.35
Net-(DF11-Pad2): length 3
  Bottom w0.254: 286.51,24.37 289.5,24.37
Net-(DF12-Pad2): length 3
  Bottom w0.254: 305.51,24.39 308.5,24.39
Net-(DF13-Pad2): length 2.5
  Bottom w0.254: KF13.2 320.6,35.1

## Copper pours and planes (outline as drawn; the poured copper is in the pictures)
GND on Top: 327,-3 -2,-3 -2,145 327,145
GND on Bottom: 327,-3 -2,-3 -2,145 327,145

## Text on the board
B.Silkscreen: Kanagawa by Ciaanh - rev1
